# KiCad board Accumulator.kicad_pcb (continued)
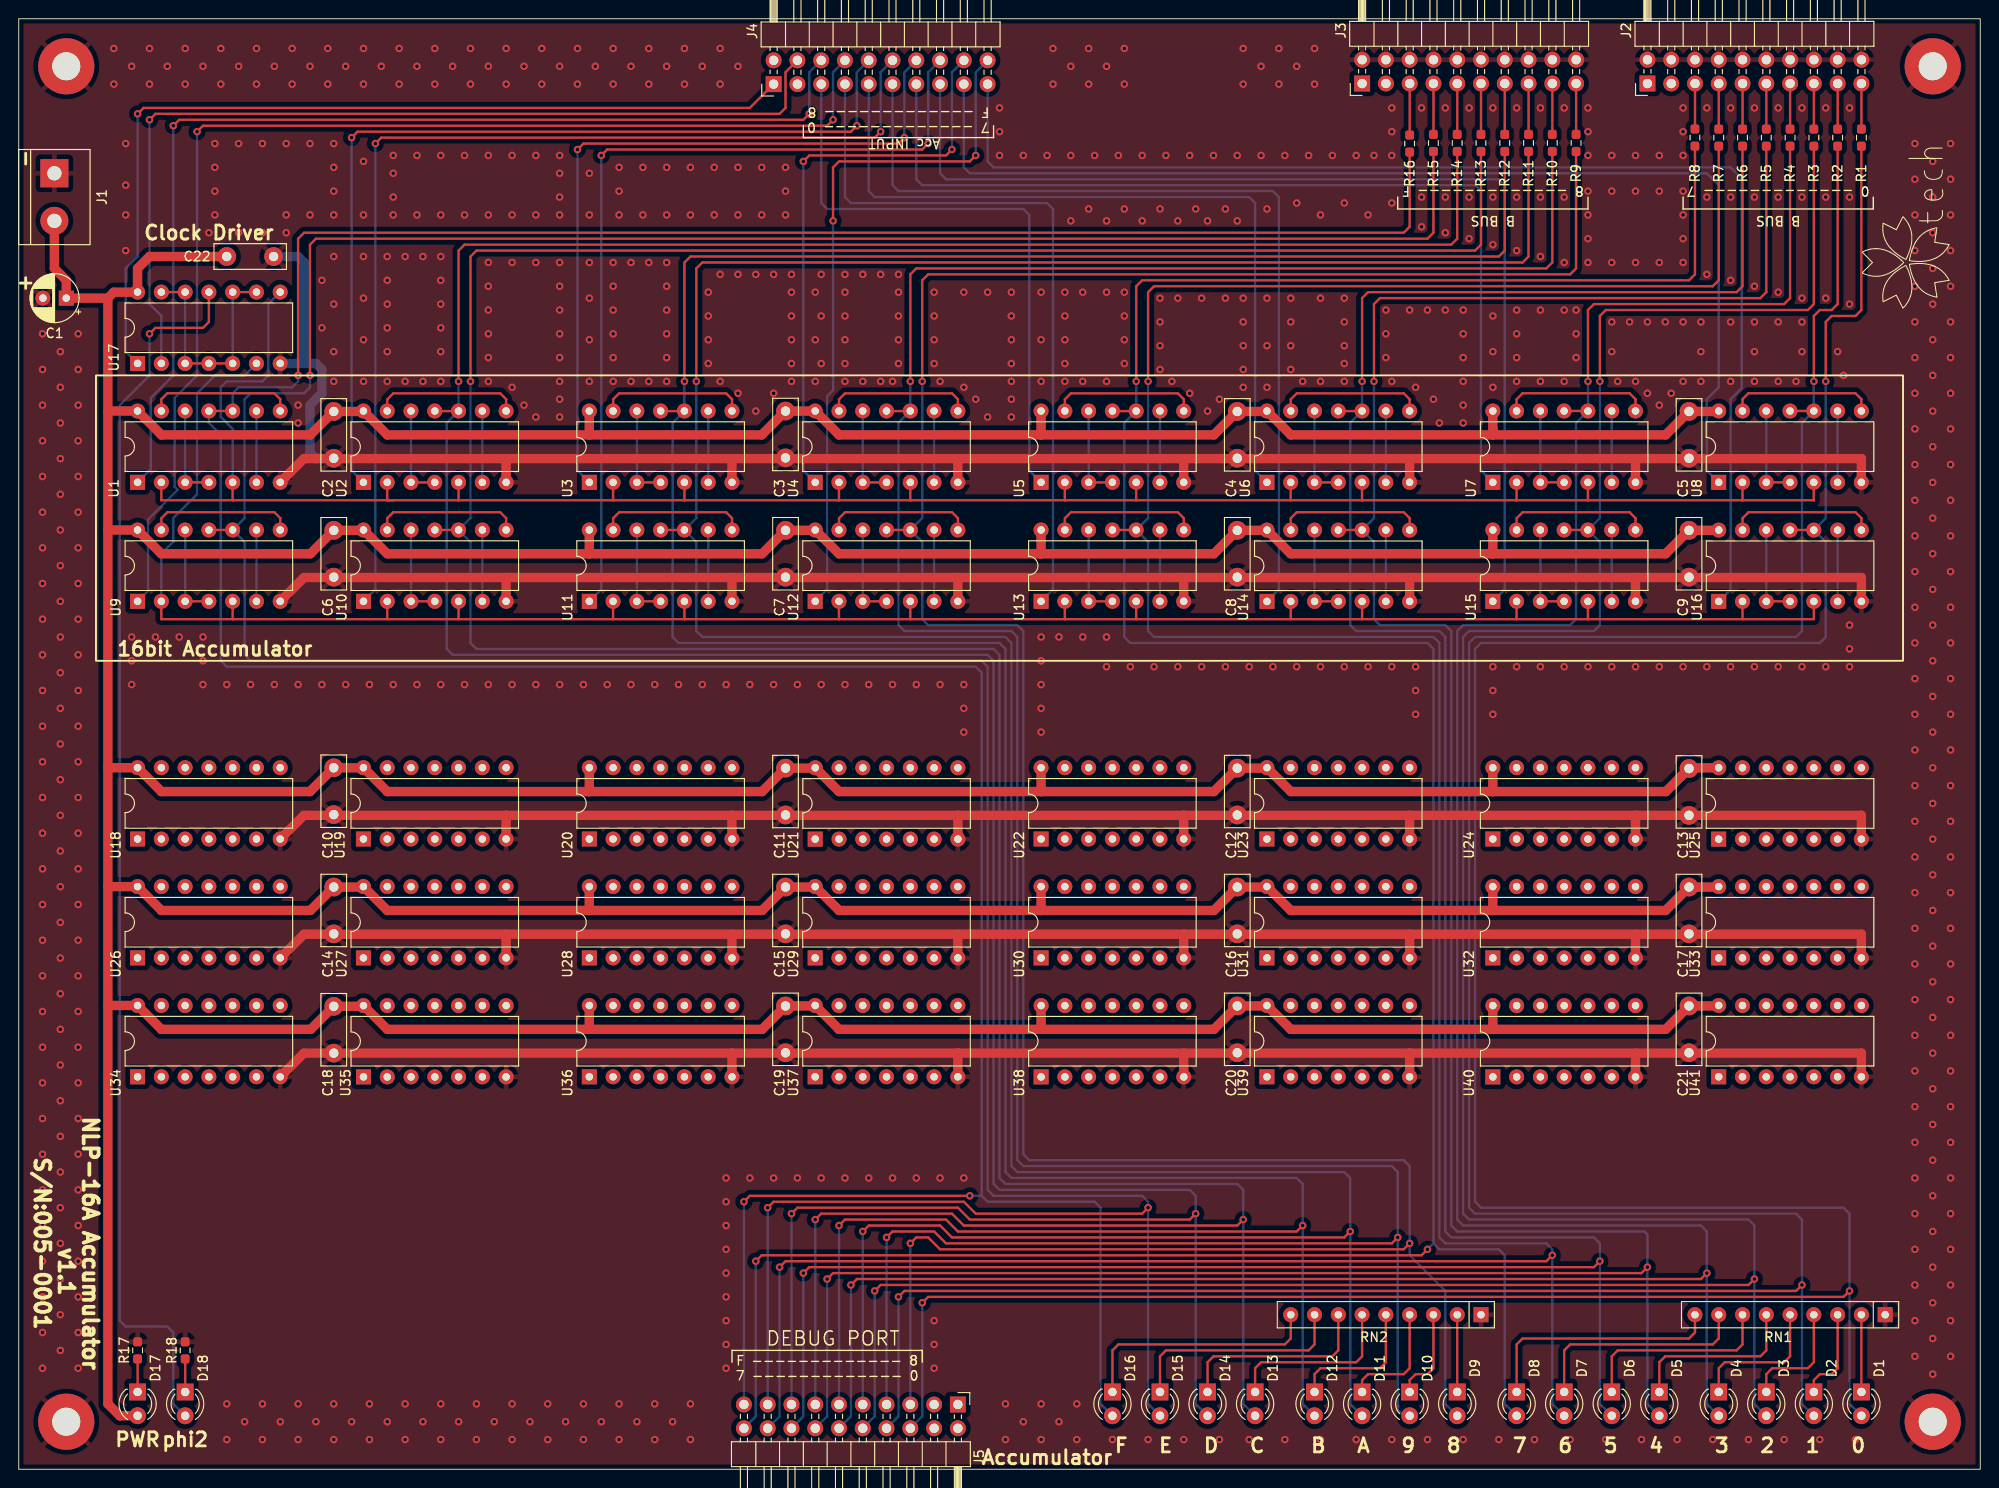
[diagram p0: board, top side]
## Routing (per net, layer and track width the routed paths; a pad name or vN(x,y) marks a point on that pad's centre or on a via; arc(x,y) is an arc through that point) (continued)
Net-(U9-Pad12): length 10.2
  Top w0.25: 17.78,92.71 20.32,92.71
  Bottom w0.25: 17.78,92.71 17.78,100.33
Net-(U9-Pad13): length 15.8
  Top w0.25: 27.94,100.33 27.94,101.58 27.95,101.59 27.31,102.22 15.88,102.22 15.24,101.58 15.24,100.33
Net-(U10-Pad6): length 7.6
  Bottom w0.25: U10.6 49.53,100.33
Net-(U10-Pad12): length 10.2
  Top w0.25: U10.3 U10.4
  Bottom w0.25: U10.3 41.91,100.33
Net-(U10-Pad13): length 15.8
  Top w0.25: 39.37,100.33 39.37,101.58 40.01,102.22 51.44,102.22 52.08,101.59 52.07,101.58 52.07,100.33
Net-(U11-Pad6): length 7.6
  Bottom w0.25: 73.66,92.71 73.66,100.33
Net-(U11-Pad12): length 10.2
  Top w0.25: 66.04,92.71 68.58,92.71
  Bottom w0.25: 66.04,92.71 66.04,100.33
Net-(U11-Pad13): length 15.8
  Top w0.25: 63.5,100.33 63.5,101.58 64.14,102.22 75.57,102.22 76.2,101.59 76.2,101.58 76.2,100.33
Net-(U12-Pad6): length 7.6
  Bottom w0.25: 97.79,92.71 97.79,100.33
Net-(U12-Pad12): length 10.2
  Top w0.25: 90.17,92.71 92.71,92.71
  Bottom w0.25: 90.17,92.71 90.17,100.33
Net-(U12-Pad13): length 15.8
  Top w0.25: 100.33,100.33 100.33,101.58 100.34,101.59 99.7,102.22 88.27,102.22 87.63,101.58 87.63,100.33
Net-(U13-Pad6): length 7.6
  Bottom w0.25: 121.92,92.71 121.92,100.33
Net-(U13-Pad12): length 10.2
  Top w0.25: 114.3,92.71 116.84,92.71
  Bottom w0.25: 114.3,92.71 114.3,100.33
Net-(U13-Pad13): length 15.8
  Top w0.25: 111.76,100.33 111.76,101.58 112.4,102.22 123.83,102.22 124.47,101.59 124.46,101.58 124.46,100.33
Net-(U14-Pad6): length 7.6
  Bottom w0.25: 146.05,92.71 146.05,100.33
Net-(U14-Pad12): length 10.2
  Top w0.25: 138.43,92.71 140.97,92.71
  Bottom w0.25: 138.43,92.71 138.43,100.33
Net-(U14-Pad13): length 15.8
  Top w0.25: 135.89,100.33 135.89,101.58 136.53,102.22 147.96,102.22 148.59,101.59 148.59,101.58 148.59,100.33
Net-(U15-Pad6): length 7.6
  Bottom w0.25: 170.18,92.71 170.18,100.33
Net-(U15-Pad12): length 10.2
  Top w0.25: 162.56,92.71 165.1,92.71
  Bottom w0.25: 162.56,92.71 162.56,100.33
Net-(U15-Pad13): length 15.8
  Top w0.25: 160.02,100.33 160.02,101.58 160.66,102.22 172.09,102.22 172.72,101.59 172.72,101.58 172.72,100.33
Net-(U16-Pad6): length 7.6
  Bottom w0.25: 194.31,92.71 194.31,100.33
Net-(U16-Pad12): length 10.2
  Top w0.25: 186.69,92.71 189.23,92.71
  Bottom w0.25: 186.69,92.71 186.69,100.33
Net-(U16-Pad13): length 15.8
  Top w0.25: 184.15,100.33 184.15,101.58 184.79,102.22 196.22,102.22 196.85,101.59 196.85,101.58 196.85,100.33
Net-(U17-Pad10): length 25.4
  Top w0.25: U17.3 U17.4 U17.5 ; U17.9 U17.10 ; U17.13 U17.12
  Bottom w0.25: U17.3 U17.12 ; U17.10 U17.5

## Copper pours and planes (outline as drawn; the poured copper is in the pictures)
GND on Top, Bottom: 209.55,0 0,0 0,154.94 209.55,154.94

## Text on the board
F.Silkscreen: F ------------- 8 / 7 ------------- 0 | 7 ------------- 0 / F ------------- 8 | Acc INPUT | 8 ------------- F | B BUS | 0 ------------- 7 | DEBUG PORT | PWR | phi2 | Clock Driver | 16bit Accumulator | Accumulator | F   E   D   C | B   A   9   8 | 7   6   5   4 | 3   2   1   0 | +          - | NLP-16A Accumulator / v1.1 / S/N:005-0001
